# Altium PCB board.PcbDoc
Units mm, origin at the board's own origin, x right, y up, seen from the top; angles counter-clockwise.
Board outline 36 x 187 mm, 2 copper layers (Top Layer, Bottom Layer), stack 1.66 mm thick; 133 components, 67 nets, 336 pads, 161 vias.
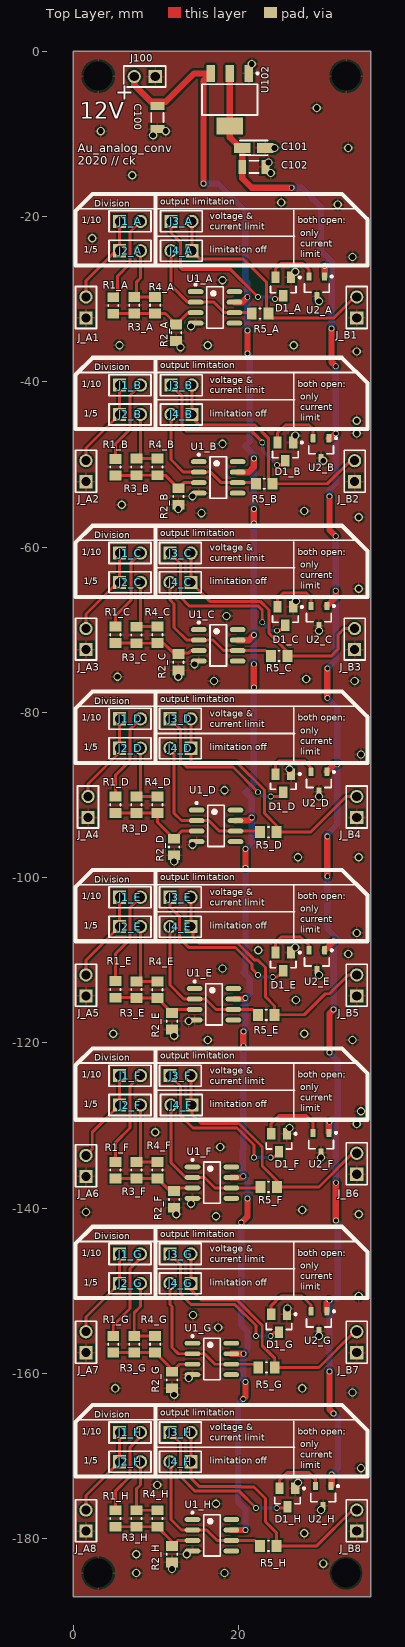
[diagram p0: Top Layer view]
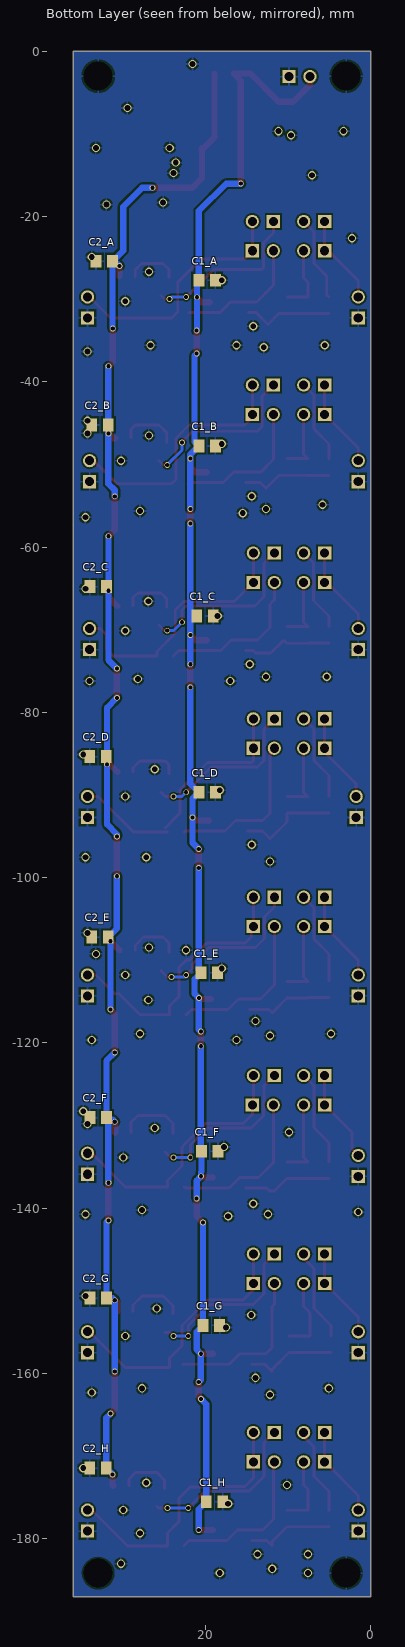
[diagram p1: Bottom Layer view, seen from below]
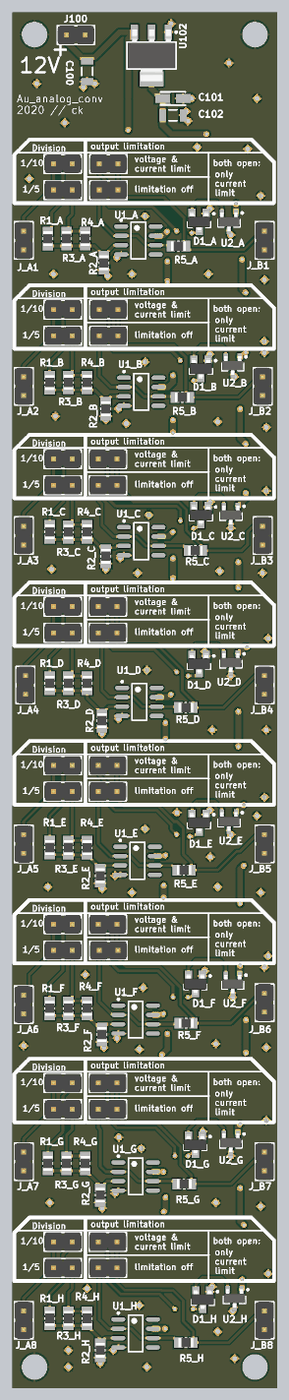
[diagram p2: 3D render of the assembled board from above, using the file's embedded part models]

## Layer stack, top to bottom
Top Solder: solder mask 0.0102, Solder Resist, Dk 3.5
Top Layer: signal copper 0.055
Dielectric1: dielectric 1.55, FR-4, Dk 4.8
Bottom Layer: signal copper 0.055
Bottom Solder: solder mask 0.0102, Solder Resist, Dk 3.5

## Board outline
0,-187 0,0 36,0 36,-187

## Design rules (kind name [scope] priority, off if disabled: settings)
Clearance clearance_polygons [InNamedPolygon('top_gnd_power')or InNamedPolygon('bottom_gnd_power') vs InNamedPolygon('top_gnd_uc')or InNamedPolygon('bottom_gnd_uc')] p1: gap=1.5 ignorepadtopadclearanceinfootprint=FALSE except(0: Arc-Hole Track-Hole SMDPad-Hole THPad-Hole Via-Hole Fill-Hole Poly-Hole Region-Hole Text-Hole)
Clearance ClearanceRoom [WithinRoom('less')  or WithinRoom('less1') or WithinRoom('less2') or WithinRoom('less3') or WithinRoom('less4')] p2: gap=0.203 ignorepadtopadclearanceinfootprint=FALSE except(0: Arc-Hole Track-Hole SMDPad-Hole THPad-Hole Via-Hole Fill-Hole Poly-Hole Region-Hole Text-Hole)
Clearance clearance_HP_class [InNetClass('high_power_net')] p3: gap=0.381 ignorepadtopadclearanceinfootprint=FALSE except(0: Arc-Hole Track-Hole SMDPad-Hole THPad-Hole Via-Hole Fill-Hole Poly-Hole Region-Hole Text-Hole)
Clearance "clearance_24V class" [InNetClass('24V_net')] p4: gap=0.254 ignorepadtopadclearanceinfootprint=FALSE except(0: Arc-Hole Track-Hole SMDPad-Hole THPad-Hole Via-Hole Fill-Hole Poly-Hole Region-Hole Text-Hole)
Clearance Clearance_1 [All] p5: gap=0.203 ignorepadtopadclearanceinfootprint=FALSE except(0: Arc-Hole Track-Hole SMDPad-Hole THPad-Hole Via-Hole Fill-Hole Poly-Hole Region-Hole Text-Hole)
FabricationTestPointUsage TestPointUsage [All] p1: valid=0 allowmultiple=FALSE
FabricationTestpoint Testpoint [All] p1: side=3 testpointundercomponent=TRUE minsize=1.016 maxsize=2.54 preferedsize=1.524 minholesize=0 maxholesize=1.016 preferedholesize=0.813 testpointgrid=0.025 allowsidetop=TRUE allowsidebottom=TRUE usegrid=TRUE gridtolerance=0
HoleSize [All] p1: absolutevalues=TRUE maxlimit=6 minlimit=0.025 maxpercent=80.000 minpercent=20.000
PolygonConnect PolygonConnect_Power [(InNet('+5V') OR InNet('-24VBUS'))] p1: connectstyle=Relief reliefconductorwidth=2.54 reliefentries=4 polygonreliefangle="90 Angle" airgapwidth=0.254
PolygonConnect [All] p2: connectstyle=Relief reliefconductorwidth=0.254 reliefentries=4 polygonreliefangle="90 Angle" airgapwidth=0.254
RoutingVias [All] p1: holewidth=0.5 width=0.7 viastyle="Through Hole" minholewidth=0.3 minwidth=0.5 maxholewidth=0.711 maxwidth=1.27
SilkToSolderMaskClearance SilkscreenOverComponentPads [IsPad] p1: minsilkscreentomaskgap=0.254 clearancetoexposedcopper=TRUE
SolderMaskExpansion [All] p1: expansion=0.102
Width WidthRoom [WithinRoom('less')  or WithinRoom('less1') or WithinRoom('less2') or WithinRoom('less3') or WithinRoom('less4')] p1: maxlimit=0.356 minlimit=0.356 preferedwidth=0.356
Width Width_HC_class [InNetClass('High_Current_net')] p2: maxlimit=15.24 minlimit=1.524 preferedwidth=1.524
Width Width_HP_class [InNetClass('High_Power_net')] p3: maxlimit=1.016 minlimit=1.016 preferedwidth=1.016
Width "Width_24V class" [InNetClass('24V_net')] p4: maxlimit=0.762 minlimit=0.762 preferedwidth=0.762
Width Width_1 [All] p5: maxlimit=0.356 minlimit=0.356 preferedwidth=0.356
26 further rules are at their usual default settings.

## Classes and differential pairs
channel class Sheet1: A B C D
component class D: C1_D C2_D D1_D J1_D J2_D J3_D J4_D R1_D R2_D R3_D R4_D R5_D U1_D U2_D
component class C: C1_C C2_C D1_C J1_C J2_C J3_C J4_C R1_C R2_C R3_C R4_C R5_C U1_C U2_C
component class B: C1_B C2_B D1_B J1_B J2_B J3_B J4_B R1_B R2_B R3_B R4_B R5_B U1_B U2_B
component class A: C1_A C2_A D1_A J1_A J2_A J3_A J4_A R1_A R2_A R3_A R4_A R5_A U1_A U2 U2_A
net class 24V_net: +5V +12V
component class sheetPower: C100 C101 C102 J100 U102
component class sheet_top: J_A1 J_A2 J_A3 J_A4 J_A5 J_A6 J_A7 J_A8 J_B1 J_B2 J_B3 J_B4 J_B5 J_B6 J_B7 J_B8
component class E: C1_E C2_E D1_E J1_E J2_E J3_E J4_E R1_E R2_E R3_E R4_E R5_E U1_E U2_E
component class F: C1_F C2_F D1_F J1_F J2_F J3_F J4_F R1_F R2_F R3_F R4_F R5_F U1_F U2_F
component class G: C1_G C2_G D1_G J1_G J2_G J3_G J4_G R1_G R2_G R3_G R4_G R5_G U1_G U2_G
component class H: C1_H C2_H D1_H J1_H J2_H J3_H J4_H R1_H R2_H R3_H R4_H R5_H U1_H U2_H

## Components (designator, comment, footprint, x,y, rotation, side; value= is the part's Value field where it differs from the comment)
C1_A "100nF" CAPC2013X88X50ML20T25 19.812,-27.686 r0 bottom (schematic designator C1)
C1_B "100nF" CAPC2013X88X50ML20T25 19.812,-47.752 r0 bottom (schematic designator C1)
C1_C "100nF" CAPC2013X88X50ML20T25 20.066,-68.326 r0 bottom (schematic designator C1)
C1_D "100nF" CAPC2013X88X50ML20T25 19.812,-89.662 r0 bottom (schematic designator C1)
C1_E "100nF" CAPC2013X88X50ML20T25 19.558,-111.506 r0 bottom (schematic designator C1)
C1_F "100nF" CAPC2013X88X50ML20T25 19.495,-133.096 r0 bottom (schematic designator C1)
C1_G "100nF" CAPC2013X88X50ML20T25 19.304,-154.178 r0 bottom (schematic designator C1)
C1_H "100nF" CAPC2013X88X50ML20T25 18.923,-175.514 r0 bottom (schematic designator C1)
C2_A "100nF" CAPC2013X88X50ML20T25 32.258,-25.4 r0 bottom (schematic designator C2)
C2_B "100nF" CAPC2013X88X50ML20T25 32.766,-45.212 r0 bottom (schematic designator C2)
C2_C "100nF" CAPC2013X88X50ML20T25 33,-64.77 r0 bottom (schematic designator C2)
C2_D "100nF" CAPC2013X88X50ML20T25 33.02,-85.344 r0 bottom (schematic designator C2)
C2_E "100nF" CAPC2013X88X50ML20T25 32.766,-107.188 r0 bottom (schematic designator C2)
C2_F "100nF" CAPC2013X88X50ML20T25 33,-129.032 r0 bottom (schematic designator C2)
C2_G "100nF" CAPC2013X88X50ML20T25 33,-150.876 r0 bottom (schematic designator C2)
C2_H "100nF" CAPC2013X88X50ML20T25 33.02,-171.45 r0 bottom (schematic designator C2)
C100 "100uF" CAPC1206(3216)190_L 10.16,-8.004 r90 top
C101 "4,7 µF" "A Package" 20.441,-11.684 r0 top
C102 "100uF" CAPC1206(3216)190_L 21.844,-13.97 r180 top
D1_A "BAT54S" FAIR-SOT23-3_V 25.4,-28.448 r270 top (schematic designator D1)
D1_B "BAT54S" FAIR-SOT23-3_V 25.654,-48.43 r270 top (schematic designator D1)
D1_C "BAT54S" FAIR-SOT23-3_V 25.654,-68.326 r270 top (schematic designator D1)
D1_D "BAT54S" FAIR-SOT23-3_V 25.4,-88.562 r270 top (schematic designator D1)
D1_E "BAT54S" FAIR-SOT23-3_V 25.4,-110.152 r270 top (schematic designator D1)
D1_F "BAT54S" FAIR-SOT23-3_V 24.892,-132.08 r270 top (schematic designator D1)
D1_G "BAT54S" FAIR-SOT23-3_V 24.892,-153.924 r270 top (schematic designator D1)
D1_H "BAT54S" FAIR-SOT23-3_V 25.908,-175.006 r270 top (schematic designator D1)
J1_A "61300211121" 61300211121 5.588,-20.574 r0 top (schematic designator J1)
J1_B "61300211121" 61300211121 5.588,-40.386 r0 top (schematic designator J1)
J1_C "61300211121" 61300211121 5.588,-60.706 r0 top (schematic designator J1)
J1_D "61300211121" 61300211121 5.588,-80.772 r0 top (schematic designator J1)
J1_E "61300211121" 61300211121 5.588,-102.362 r0 top (schematic designator J1)
J1_F "61300211121" 61300211121 5.588,-123.952 r0 top (schematic designator J1)
J1_G "61300211121" 61300211121 5.588,-145.542 r0 top (schematic designator J1)
J1_H "61300211121" 61300211121 5.588,-167.132 r0 top (schematic designator J1)
J2_A "61300211121" 61300211121 5.588,-24.13 r0 top (schematic designator J2)
J2_B "61300211121" 61300211121 5.588,-43.942 r0 top (schematic designator J2)
J2_C "61300211121" 61300211121 5.588,-64.262 r0 top (schematic designator J2)
J2_D "61300211121" 61300211121 5.588,-84.328 r0 top (schematic designator J2)
J2_E "61300211121" 61300211121 5.588,-105.918 r0 top (schematic designator J2)
J2_F "61300211121" 61300211121 5.588,-127.508 r0 top (schematic designator J2)
J2_G "61300211121" 61300211121 5.588,-149.098 r0 top (schematic designator J2)
J2_H "61300211121" 61300211121 5.588,-170.691 r0 top (schematic designator J2)
J3_A "61300211121" 61300211121 11.805,-20.574 r0 top (schematic designator J3)
J3_B "61300211121" 61300211121 11.805,-40.386 r0 top (schematic designator J3)
J3_C "61300211121" 61300211121 11.684,-60.706 r0 top (schematic designator J3)
J3_D "61300211121" 61300211121 11.684,-80.772 r0 top (schematic designator J3)
J3_E "61300211121" 61300211121 11.684,-102.362 r0 top (schematic designator J3)
J3_F "61300211121" 61300211121 11.684,-123.952 r0 top (schematic designator J3)
J3_G "61300211121" 61300211121 11.684,-145.542 r0 top (schematic designator J3)
J3_H "61300211121" 61300211121 11.684,-167.132 r0 top (schematic designator J3)
J4_A "61300211121" 61300211121 14.345,-24.13 r180 top (schematic designator J4)
J4_B "61300211121" 61300211121 14.345,-43.942 r180 top (schematic designator J4)
J4_C "61300211121" 61300211121 14.224,-64.262 r180 top (schematic designator J4)
J4_D "61300211121" 61300211121 14.224,-84.328 r180 top (schematic designator J4)
J4_E "61300211121" 61300211121 14.224,-105.918 r180 top (schematic designator J4)
J4_F "61300211121" 61300211121 14.345,-127.508 r180 top (schematic designator J4)
J4_G "61300211121" 61300211121 14.224,-149.098 r180 top (schematic designator J4)
J4_H "61300211121" 61300211121 14.224,-170.691 r180 top (schematic designator J4)
J100 "61300211121" 61300211121 9.906,-3.048 r180 top
J_A1 "61300211121" 61300211121 1.524,-32.258 r90 top
J_A2 "61300211121" 61300211121 1.524,-52.07 r90 top
J_A3 "61300211121" 61300211121 1.524,-72.39 r90 top
J_A4 "61300211121" 61300211121 1.778,-92.71 r90 top
J_A5 "61300211121" 61300211121 1.524,-114.3 r90 top
J_A6 "61300211121" 61300211121 1.524,-136.144 r90 top
J_A7 "61300211121" 61300211121 1.524,-157.48 r90 top
J_A8 "61300211121" 61300211121 1.524,-179.07 r90 top
J_B1 "61300211121" 61300211121 34.29,-32.258 r90 top
J_B2 "61300211121" 61300211121 34.036,-52.07 r90 top
J_B3 "61300211121" 61300211121 34.036,-72.39 r90 top
J_B4 "61300211121" 61300211121 34.29,-92.71 r90 top
J_B5 "61300211121" 61300211121 34.29,-114.3 r90 top
J_B6 "61300211121" 61300211121 34.29,-135.89 r90 top
J_B7 "61300211121" 61300211121 34.29,-157.48 r90 top
J_B8 "61300211121" 61300211121 34.29,-179.07 r90 top
R1_A "10k" YAGO-RC0805_M 4.826,-30.75 r90 top (schematic designator R1)
R1_B "10k" YAGO-RC0805_M 5.08,-50.308 r90 top (schematic designator R1)
R1_C "10k" YAGO-RC0805_M 5.08,-70.612 r90 top (schematic designator R1)
R1_D "10k" YAGO-RC0805_M 5.08,-91.186 r90 top (schematic designator R1)
R1_E "10k" YAGO-RC0805_M 5.08,-113.522 r90 top (schematic designator R1)
R1_F "10k" YAGO-RC0805_M 5.08,-135.382 r90 top (schematic designator R1)
R1_G "10k" YAGO-RC0805_M 4.826,-156.464 r90 top (schematic designator R1)
R1_H "10k" YAGO-RC0805_M 5.08,-177.546 r90 top (schematic designator R1)
R2_A "1k" YAGO-RC0805_M 12.446,-34.036 r90 top (schematic designator R2)
R2_B "1k" YAGO-RC0805_M 12.7,-53.864 r90 top (schematic designator R2)
R2_C "1k" YAGO-RC0805_M 12.7,-73.914 r90 top (schematic designator R2)
R2_D "1k" YAGO-RC0805_M 12.192,-96.282 r90 top (schematic designator R2)
R2_E "1k" YAGO-RC0805_M 11.938,-117.364 r90 top (schematic designator R2)
R2_F "1k" YAGO-RC0805_M 12.192,-138.938 r90 top (schematic designator R2)
R2_G "1k" YAGO-RC0805_M 11.938,-160.782 r90 top (schematic designator R2)
R2_H "1k" YAGO-RC0805_M 11.938,-181.864 r90 top (schematic designator R2)
R3_A "10k" YAGO-RC0805_M 7.366,-30.734 r90 top (schematic designator R3)
R3_B "10k" YAGO-RC0805_M 7.62,-50.292 r90 top (schematic designator R3)
R3_C "10k" YAGO-RC0805_M 7.62,-70.628 r90 top (schematic designator R3)
R3_D "10k" YAGO-RC0805_M 7.62,-91.186 r90 top (schematic designator R3)
R3_E "10k" YAGO-RC0805_M 7.62,-113.538 r90 top (schematic designator R3)
R3_F "10k" YAGO-RC0805_M 7.62,-135.382 r90 top (schematic designator R3)
R3_G "10k" YAGO-RC0805_M 7.366,-156.464 r90 top (schematic designator R3)
R3_H "10k" YAGO-RC0805_M 7.62,-177.546 r90 top (schematic designator R3)
R4_A "10k" YAGO-RC0805_M 9.906,-30.734 r90 top (schematic designator R4)
R4_B "10k" YAGO-RC0805_M 10.16,-50.292 r90 top (schematic designator R4)
R4_C "10k" YAGO-RC0805_M 10.16,-70.612 r90 top (schematic designator R4)
R4_D "10k" YAGO-RC0805_M 10.16,-91.186 r90 top (schematic designator R4)
R4_E "10k" YAGO-RC0805_M 10.16,-113.554 r90 top (schematic designator R4)
R4_F "10k" YAGO-RC0805_M 10.16,-135.382 r90 top (schematic designator R4)
R4_G "10k" YAGO-RC0805_M 9.906,-156.464 r90 top (schematic designator R4)
R4_H "10k" YAGO-RC0805_M 10.16,-177.546 r90 top (schematic designator R4)
R5_A "200" YAGO-RC0805_M 22.59,-31.75 r180 top (schematic designator R5)
R5_B "200" YAGO-RC0805_M 23.114,-52.324 r180 top (schematic designator R5)
R5_C "200" YAGO-RC0805_M 24.892,-73.152 r180 top (schematic designator R5)
R5_D "200" YAGO-RC0805_M 23.606,-94.488 r180 top (schematic designator R5)
R5_E "200" YAGO-RC0805_M 23.352,-116.586 r180 top (schematic designator R5)
R5_F "200" YAGO-RC0805_M 23.622,-137.414 r180 top (schematic designator R5)
R5_G "200" YAGO-RC0805_M 23.368,-159.258 r180 top (schematic designator R5)
R5_H "200" YAGO-RC0805_M 23.606,-180.848 r180 top (schematic designator R5)
U1_A "AD8029ARZ" ADI-R-8_L 17.145,-30.988 r0 top (schematic designator U1)
U1_B "AD8029ARZ" ADI-R-8_L 17.526,-51.562 r0 top (schematic designator U1)
U1_C "AD8029ARZ" ADI-R-8_L 17.526,-71.882 r0 top (schematic designator U1)
U1_D "AD8029ARZ" ADI-R-8_L 17.272,-93.726 r0 top (schematic designator U1)
U1_E "AD8029ARZ" ADI-R-8_L 17.018,-115.316 r0 top (schematic designator U1)
U1_F "AD8029ARZ" ADI-R-8_L 16.764,-136.906 r0 top (schematic designator U1)
U1_G "AD8029ARZ" ADI-R-8_L 16.764,-158.242 r0 top (schematic designator U1)
U1_H "AD8029ARZ" ADI-R-8_L 16.764,-179.578 r0 top (schematic designator U1)
U2_A "REF3112AIDBZT" DBZ0003A_N 29.464,-28.448 r270 top (schematic designator U2)
U2_B "REF3112AIDBZT" DBZ0003A_N 29.972,-48.006 r270 top (schematic designator U2)
U2_C "REF3112AIDBZT" DBZ0003A_N 29.718,-68.326 r270 top (schematic designator U2)
U2_D "REF3112AIDBZT" DBZ0003A_N 29.718,-88.392 r270 top (schematic designator U2)
U2_E "REF3112AIDBZT" DBZ0003A_N 29.464,-109.982 r270 top (schematic designator U2)
U2_F "REF3112AIDBZT" DBZ0003A_N 29.972,-132.08 r270 top (schematic designator U2)
U2_G "REF3112AIDBZT" DBZ0003A_N 29.718,-153.67 r270 top (schematic designator U2)
U2_H "REF3112AIDBZT" DBZ0003A_N 30.226,-174.822 r270 top (schematic designator U2)
U102 "LM1117IMP-5.0/NOPB" DCY0004A_M 18.923,-5.842 r270 top

## Footprints (in the part's own frame and the unit in brackets; to place one, negate y for a bottom-side part, rotate by r counter-clockwise, add the part's x,y. Pads: shape width x height; smd on the part's side, far side on the other; paste and mask are expansions set on the pad)
61300211121 [mm] "2Pol; gerade; WR-PHD 2.54 mm THT Pin Header"
  rect 1.6x1.6 hole 1.1: 1(0,0)
  round 1.6 hole 1.1: 2(2.54,0)
  silkscreen extent -1.27,-1.27 3.81,1.27, body extent -1.27,-1.27 3.81,1.27, height 8.57
"A Package" [mm] "A Package; Low Density"
  rect 2x1.2 smd: 1(0,0) 2(2.8,0)
  silkscreen extent -0.3,-0.9 3.1,0.9
ADI-R-8_L [mm] "SOIC, 8-Leads, Body 4.9x3.9mm, Pitch 1.27mm, IPC High Density"
  oval 1.9x0.6 smd: 1(-2.35,1.905) 2(-2.35,0.635) 3(-2.35,-0.635) 4(-2.35,-1.905) 5(2.35,-1.905) 6(2.35,-0.635) 7(2.35,0.635) 8(2.35,1.905)
  silkscreen extent -2.47,-2.5 1,2.88, body extent -2,-2.5 2,2.5, height 1.75
CAPC1206(3216)190_L [mm] "Chip Capacitor, Body 3.2x1.6mm, Height 1.9mm, IPC High Density"
  rect 0.95x1.7 smd: 1(-1.4,0) 2(1.4,0)
  silkscreen extent -0.55,-0.75 0.55,0.75, body extent -1.7,-0.9 1.7,0.9, height 1.9
CAPC2013X88X50ML20T25 [mm] "Chip Capacitor, 2-Leads, Body 2.00x1.25mm, IPC Low Density"
  rect 1.3x1.55 smd: 1(-1,0) 2(1,0)
  body extent -1.1,-0.72 1.1,0.72, height 0.88
DBZ0003A_N [mm] "SOT23, 3-Leads, Body 3.04x1.4mm, Pitch 0.95mm, IPC Medium Density"
  rrect17% 1x0.6 smd: 1(-1.2,0.95) 2(-1.2,-0.95) 3(1.2,0)
  silkscreen extent -1.32,-1.5 0.7,1.93, body extent -1.26,-1.46 1.26,1.46, height 0.96
DCY0004A_M [mm] "SOT223, 4-Leads, Body 6.7x3.7mm, Pitch 2.3mm, IPC Low Density"
  rrect10% 2.05x1 smd: 1(-3.175,2.3) 2(-3.175,0) 3(-3.175,-2.3)
  rrect5% 2.05x3.25 smd: 4(3.175,0)
  silkscreen extent -3.3,-3.35 1.85,3.48, body extent -3.5,-3.25 3.5,3.25, height 1.62
FAIR-SOT23-3_V [mm] "SOT23, 3-Leads, Body 3.12x1.5mm, Pitch 0.95mm"
  rect 1.4x1 smd: 1(-1.1,0.95) 2(-1.1,-0.95) 3(1.1,0)
  silkscreen extent -1.22,-1.55 0.75,2.13, body extent -1.35,-1.56 1.35,1.56, height 1.2
YAGO-RC0805_M [mm] "Chip Resistor, 2-Leads, Body 2.00x1.25mm, IPC Low Density"
  rect 1.2x1.45 smd: 1(-1,0) 2(1,0)
  silkscreen extent -0.1,-0.63 0.1,0.63, body extent -1,-0.62 1,0.63, height 0.6

## Part data
C1_A C1_B C1_C C1_D C1_E C1_F C1_G C1_H C2_A C2_B C2_C C2_D C2_E C2_F C2_G C2_H: library part CMP-001-0082-2, "generic 0805 COG oder X7R Vielschichtkondensatoren max. +/-10%"
C100 C102: library part CMP-00469-2, "CAP 100uF 6.3V ±20% 1206 (3216 Metric) Thickness 1.9mm SMD", Case-EIA=1206, Case-Metric=3216, Manufacturer="WURTH ELEKTRONIK", Manufacturer Part Number=885012108005, Rated Voltage="6.3 V", Supplier Part Number=2495155, Tolerance=±20%, ComponentLink1Description=2326302.pdf, ComponentLink1URL=http://www.farnell.com/cad/2326302.pdf, ComponentLink2Description=1958456.pdf, ComponentLink2URL=http://www.farnell.com/datasheets/1958456.pdf, Max Thickness="1.9 mm", PartNumber=885012108005, Supplier=Farnell, Technology=SMT
C101: library part CMP-001-0039-3, "4,7 µF; 6V; Gr. A; T491A475K006AT", Capacitance=4.7µF, ESR (Equivalent Series Resistance)="6 Ohm", Lifetime @ Temp.="2000 Hrs @ 85°C", Manufacturer=KEMET, Manufacturer Size Code=A, Operating Temperature="-55°C ~ 125°C", Package / Case="1206 (3216 Metric)", PartNumber=T491A475K006AT, Supplier Part Number=399-9717-1-ND, Tolerance=±10%, Voltage - Rated=6.3V, ComponentLink1Description=KEM_T2005_T491.pdf, ComponentLink1URL=http://www.kemet.com/Lists/ProductCatalog/Attachments/254/KEM_T2005_T491.pdf, Failure Rate=-, Features="General Purpose", Height - Seated (Max)="0.071\" (1.80mm)", Lead Spacing=-, Mounting Type="Surface Mount", Packaging="Cut Tape (CT)", Part Status=Active, Size / Dimension="0.126\" L x 0.063\" W (3.20mm x 1.60mm)", Supplier=Digi-Key, Type=Molded
D1_A D1_B D1_C D1_D D1_E D1_F D1_G D1_H: library part CMP-00532-2, "Schottky Barrier Diode, 30 V, 0.2 A, -55 to 150 degC, 3-Pin SOT23, RoHS, Tape and Reel", Capacitance="1.8E-11 f", Frequency="16 MHz", Frequency Tolerance=30ppm, Load Capacitance="18 pF", Max Operating Temperature=70degC, Min Operating Temperature=-10degC, Package Quantity=1000, Resistance="40 Ohm", ComponentLink1Description="Manufacturer URL", ComponentLink1URL=https://www.fairchildsemi.com/, ComponentLink2Description=Datasheet, ComponentLink2URL=https://www.fairchildsemi.com/datasheets/BA/BAT54S.pdf, ComponentLink3Description="Package Specification", ComponentLink3URL=http://www.fairchildsemi.com/dwg/MA/MA03D.pdf, DatasheetVersion="Rev. 2.3, 04/2016", ESR="40 Ohm", Height="0.9 mm", Length="5 mm", Mount="Surface Mount", PackageDescription="3-Pin Small Outline Transistor, Body 2.92 x 1.325 mm, Pitch 0.95 mm", PackageReference=SOT23-3, Packaging="Tape and Reel", PartNumber=BAT54S, Pins=4, REACH SVHC="No SVHC", RoHSCompliant=True, Tolerance=30ppm, Width="3.2 mm"
J1_A J1_B J1_C J1_D J1_E J1_F J1_G J1_H J2_A J2_B J2_C J2_D J2_E J2_F J2_G J2_H J3_A J3_B J3_C J3_D J3_E J3_F J3_G J3_H J4_A J4_B J4_C J4_D J4_E J4_F J4_G J4_H J100 J_A1 J_A2 J_A3 J_A4 J_A5 J_A6 J_A7 J_A8 J_B1 J_B2 J_B3 J_B4 J_B5 J_B6 J_B7 J_B8: library part CMP-001-0071-1, "2Pol; gerade; WR-PHD 2.54 mm THT Pin Header", Current Rating="3 A", Flammability Rating="UL 94 V-0", Insulation Resistance="1 GOhms", Manufacturer="Wurth Electronics", Supplier Part Number=710-61300211121, Voltage Rating="250 V", Accessory Type=-, Application="Wire to Board", Brand="Wurth Electronics", ComponentLink1Description=6130xx11121-538006.pdf, ComponentLink1URL=http://www.mouser.com/ds/2/445/6130xx11121-538006.pdf, Contact Gender="Pin (Male)", Contact Material="Copper Alloy", Contact Plating=Gold, Contact Type=-, Housing Gender=-, Housing Material="Polybutylene Terephthalate (PBT)", Latching Type=Unlatched, Manufacturer Part Number=61300211121, Mating Post Length="6 mm", Minimum Order Quantity=1, Mounting Angle=Straight, Mounting Style="Straight Pin", Number of Positions="2 Position", Number of Rows="1 Row", Packaging=Bulk, PartNumber=61300211121, Pitch="2.54 mm", Product=Headers, Reeling=False, RoHS - Mouser=Y, Row Spacing=-, Series=WR-PHD, Standard Pack Qty=1000, Supplier=Mouser, Termination Post Length="3 mm", Termination Style="Through Hole", Type="Pin Strip"
R1_A R1_B R1_C R1_D R1_E R1_F R1_G R1_H R2_A R2_B R2_C R2_D R2_E R2_F R2_G R2_H R3_A R3_B R3_C R3_D R3_E R3_F R3_G R3_H R4_A R4_B R4_C R4_D R4_E R4_F R4_G R4_H R5_A R5_B R5_C R5_D R5_E R5_F R5_G R5_H: library part CMP-001-0027-2, "0805 Yageo Standard BlackBox Resistors", Manufacturer=Yageo, Operating Temperature="-55°C ~ 155°C", Package / Case="0805 (2012 Metric)", Power (Watts)="0.125W, 1/8W", Supplier Device Package=0805, Temperature Coefficient=±200ppm/°C, Tolerance=±1%, ComponentLink1Description=PYu-RC_Group_51_RoHS_L_7.pdf, ComponentLink1URL=http://www.yageo.com/documents/recent/PYu-RC_Group_51_RoHS_L_7.pdf, Composition="Thick Film", Failure Rate=-, Features="Moisture Resistant", Height - Seated (Max)="0.024\" (0.60mm)", Packaging=Digi-Reel®, Part Status=Active, Size / Dimension="0.079\" L x 0.049\" W (2.00mm x 1.25mm)"
U1_A U1_B U1_C U1_D U1_E U1_F U1_G U1_H: library part CMP-00480-1, "Single Channel RRIO Operational Amplifier, 125 MHz BW, 62 V/us SR, Industrial, 8-pin SOIC (R-8), Tube", Amplifiers Per Package=1, Generic Part Number=AD8029, Input Bias Current=700nA, Input Offset Voltage=1.6mV, Manufacturer="Analog Devices", Code_JEDEC=MS-012-AA, ComponentLink1Description="Manufacturer URL", ComponentLink1URL=http://www.analog.com/en/index.html, ComponentLink2Description=Datasheet, ComponentLink2URL=http://www.analog.com/static/imported-files/data_sheets/AD8029_8030_8040.pdf, ComponentLink3Description="Package Specification", ComponentLink3URL=http://www.analog.com/static/imported-files/packages/PKG_PDF/SOIC_Narrow%20(R)/R_8.pdf, DatasheetVersion="Rev. B", Iq/Amp=1.5mA, Mounting Technology="Surface Mount", PackageDescription="8-Pin Standard Small Outline Package, Body 3.9 x 4.9 mm, Pitch 1.27 mm", PackageReference=R-8, PackageVersion=060506-A, PartNumber=AD8029ARZ, Slew Rate=62V/us, Small Signal Bandwidth=125MHz, V Span Max=12V, V Span Min=2.7V
U2_A U2_B U2_C U2_D U2_E U2_F U2_G U2_H: library part CMP-001-0163-A.1, "TEXAS INSTRUMENTS - REF3112AIDBZT - VOLTAGE REF, SERIES, 1.25V, SOT-23-3", Case/Package=SOT-23, Manufacturer="Texas Instruments", Max Input Voltage=5.5V, Max Operating Temperature=125°C, Max Output Current=10mA, Max Output Voltage=1.25V, Max Supply Current=100uA, Min Input Voltage=1.8V, Min Operating Temperature=-40°C, Operating Supply Current=135uA, Package Quantity=1, Supplier Part Number=3009310, Temperature Coefficient=20ppm/°C, Tolerance=0.2%, ComponentLink1Description=getliterature.tsp?genericPartNumber=REF3112&fileType=pdf&src-supplier=Farnell, ComponentLink1URL=http://www.ti.com/general/docs/lit/getliterature.tsp?genericPartNumber=REF3112&fileType=pdf&src-supplier=Farnell, ComponentLink2Description=getliterature.tsp?genericPartNumber=REF3112&&fileType=pdf&src-supplier=Element14, ComponentLink2URL=http://www.ti.com/general/docs/lit/getliterature.tsp?genericPartNumber=REF3112&&fileType=pdf&src-supplier=Element14, ComponentLink3Description=getliterature.tsp?genericPartNumber=REF3125&&fileType=pdf&src-supplier=Avnet, ComponentLink3URL=http://www.ti.com/general/docs/lit/getliterature.tsp?genericPartNumber=REF3125&&fileType=pdf&src-supplier=Avnet, ComponentLink4Description=1814207.pdf?src-supplier=Element14, ComponentLink4URL=http://www.farnell.com/datasheets/1814207.pdf?src-supplier=Element14, ComponentLink5Description=ref3112.pdf?src-supplier=Digi-Key, ComponentLink5URL=http://www.ti.com/lit/ds/symlink/ref3112.pdf?src-supplier=Digi-Key, ComponentLink6Description=001014454-da-01-en-IC_VREF_SERIES_P_REF3112AIDBZT_SOT_3_TID.pdf?src-supplier=Conrad, ComponentLink6URL=http://www.produktinfo.conrad.com/datenblaetter/1000000-1099999/001014454-da-01-en-IC_VREF_SERIES_P_REF3112AIDBZT_SOT_3_TID.pdf?src-supplier=Conrad, Height=1mm, Lead Free="Lead Free", Length=2.92mm, Min Output Voltage=1.25V, Min Supply Voltage=1.8V, Nominal Supply Current=100uA, Number of Channels=1, Number of Pins=3, Output Current=10mA, Output Type=Fixed, Output Voltage=1.25V, Packaging="Tape and Reel", Quiescent Current=100uA, Radiation Hardening=No, REACH SVHC="No SVHC", Reference Type=Series,Fixed, Reference Voltage=1.25V, Supplier=Farnell, Termination=SMD/SMT, Width=1.3mm